# KiCad board ciaa_acc.kicad_pcb (continued)
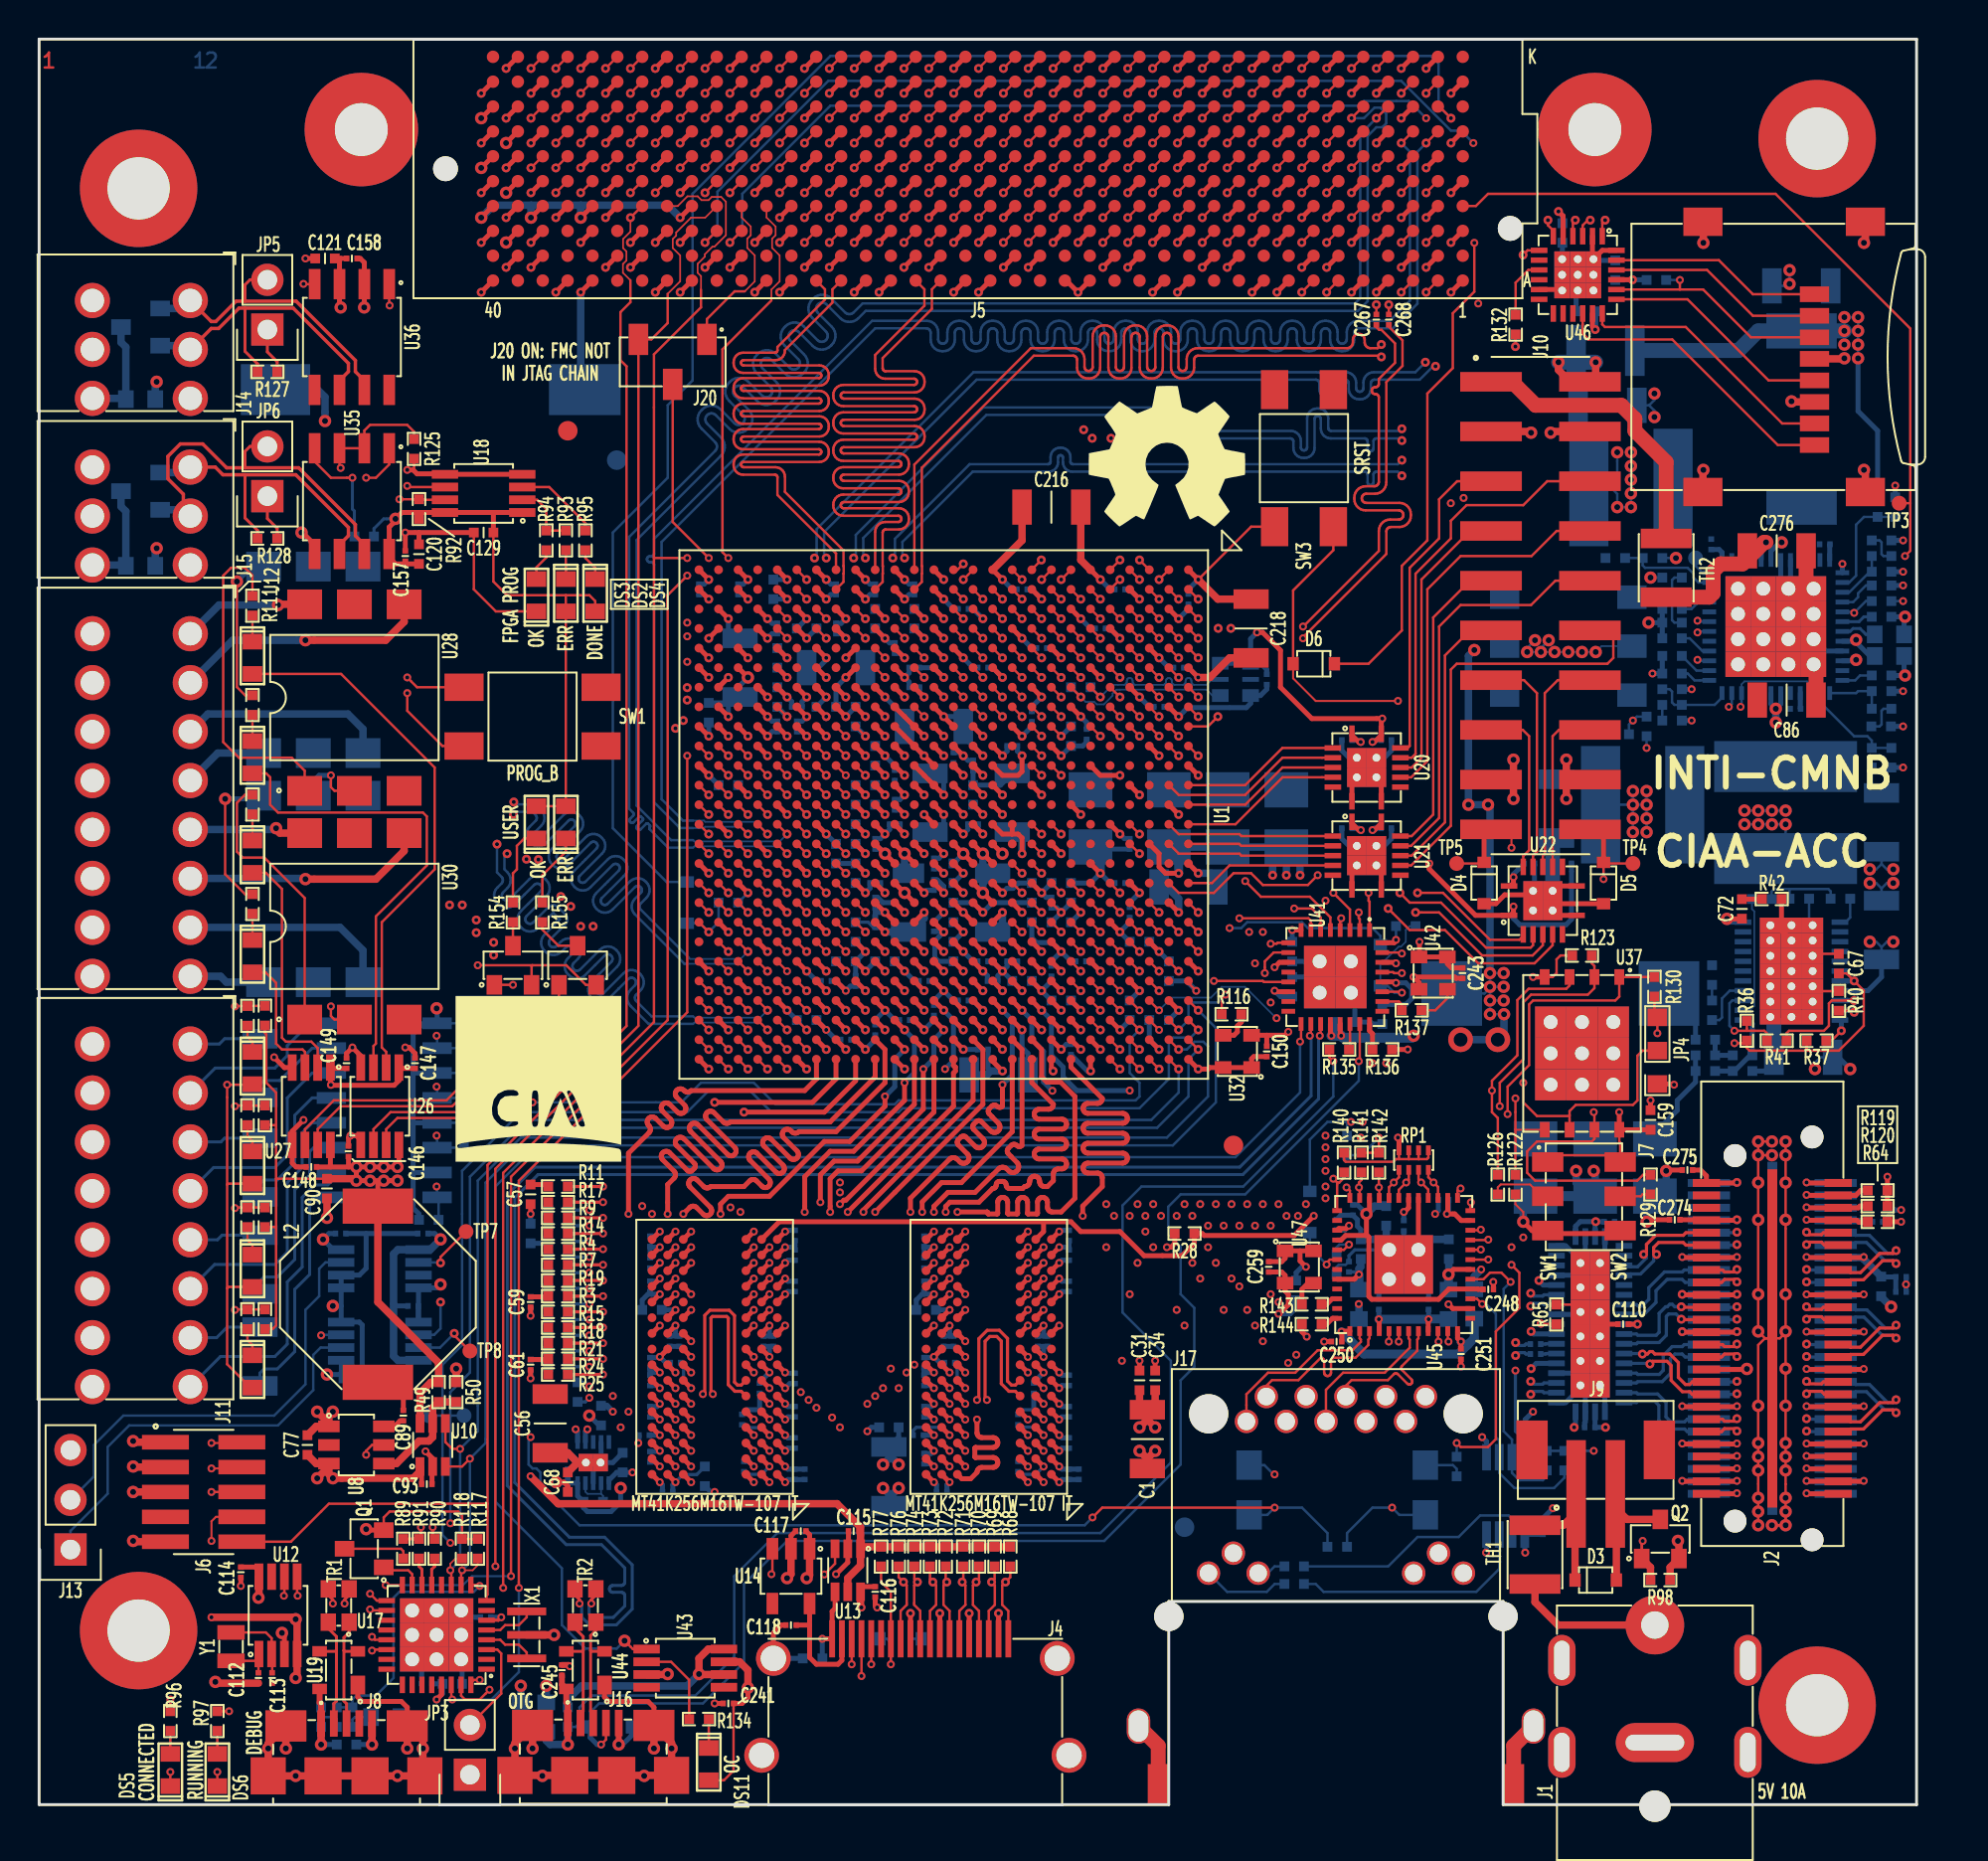
[diagram p0: board, top side]
## Routing (per net, layer and track width the routed paths; a pad name or vN(x,y) marks a point on that pad's centre or on a via; arc(x,y) is an arc through that point) (continued)
  L10.Sig w0.165: v1(58.5,30.67) v1(58.5,24.47)
  BOT_L12.Sig w0.165: R22.2 v1(28.1,23.17)
/Principal/BANK_502/DDR_CLK_N: length 75.8
  TOP_L1.Sig w0.254: U3.K7 v1(33.3,23.67) ; U1.P21 v2(46.2,42.57) ; U2.K7 v1(47.3,23.67)
  L3.Sig w0.147: v1(64.21,22.98) 64.02,22.98 63.87,23.13 61.77,23.13 61.27,23.63 48.53,23.63 48.33,23.43 47.54,23.43 v1(47.3,23.67) 47.06,23.43 46.83,23.43 46.63,23.63 34.53,23.63 34.33,23.43 33.54,23.43 v1(33.3,23.67) 33.06,23.43 32.52,23.43 32.32,23.63 31.03,23.63 28.63,21.23 28.23,21.23 v1(28.1,21.36)
  L5.Sig w0.147: 46.7,37.07 46.7,36.4 47.67,35.43 60.4,35.43 64.16,31.67 64.16,30.2 v1(64.29,30.07)
  L5.Sig w0.165: 46.7,37.07 46.7,42.07 v2(46.2,42.57)
  L10.Sig w0.147: v1(64.21,22.98) 64.11,22.88 64.03,22.97 64.03,24.36 64.04,24.39 64.04,24.41 64.06,24.43 64.07,24.45 64.09,24.46 64.12,24.47 64.16,24.47 64.19,24.48 64.21,24.49 64.22,24.51 64.24,24.53 64.24,24.55 64.25,24.58 64.25,24.66 64.24,24.68 64.24,24.7 64.22,24.72 64.21,24.74 64.19,24.75 64.16,24.76 64.12,24.77 64.09,24.77 64.07,24.79 64.06,24.8 64.04,24.82 64.04,24.85 64.03,24.87 64.03,29.81 v1(64.29,30.07)
  BOT_L12.Sig w0.165: R27.1 27.89,21.57 v1(28.1,21.36)
/Principal/BANK_502/DDR_CLK_P: length 75.8
  TOP_L1.Sig w0.254: U3.J7 v1(33.3,22.87) ; U2.J7 v1(47.3,22.87) ; U1.R21 v2(45.2,42.57)
  L3.Sig w0.147: v1(28.1,20.78) 28.23,20.91 28.77,20.91 31.17,23.31 32.18,23.31 32.38,23.11 33.06,23.11 v1(33.3,22.87) 33.54,23.11 34.47,23.11 34.67,23.31 46.49,23.31 46.69,23.11 47.06,23.11 v1(47.3,22.87) 47.54,23.11 48.47,23.11 48.67,23.31 61.13,23.31 61.63,22.81 63.73,22.81 63.79,22.75 v1(63.79,22.56)
  L5.Sig w0.147: 45.7,37.07 45.7,36.94 47.53,35.11 60.27,35.11 63.84,31.54 63.84,30.2 v1(63.71,30.07)
  L5.Sig w0.165: 45.7,37.07 45.7,42.07 v2(45.2,42.57)
  L10.Sig w0.147: v1(63.71,30.07) 63.71,22.83 63.89,22.66 v1(63.79,22.56)
  BOT_L12.Sig w0.165: v1(28.1,20.78) 27.89,20.57 R27.2
/Principal/BANK_502/DDR_CS: length 81.9
  TOP_L1.Sig w0.254: U3.L2 v1(37.3,25.27) ; U1.Y21 v2(40.2,42.57) ; U2.L2 v1(51.3,25.27)
  L8.Sig w0.165: v1(28.1,22.37) 29.1,22.37 29.5,22.77 29.5,24.07 30.3,24.87 37.3,24.87 ; 51.8,24.87 51.3,24.87 v1(51.3,25.27) ; 51.8,24.87 57.7,24.87 v1(58.1,25.27) ; 51.8,24.87 37.3,24.87 ; v1(37.3,25.27) 37.3,24.87 ; v1(58.1,30.07) 58.1,30.87 57.9,31.07 54.2,31.07 53.8,30.67 43.5,30.67 42.7,31.47 42.7,31.87 42.69,31.93 42.68,31.98 42.65,32.03 42.61,32.07 42.56,32.1 42.51,32.11 42.45,32.12 42.1,32.12 42.04,32.13 41.99,32.14 41.94,32.17 41.9,32.21 41.88,32.26 41.86,32.31 41.85,32.37 41.86,32.43 41.88,32.48 41.9,32.53 41.94,32.57 41.99,32.6 42.04,32.61 42.1,32.62 43.15,32.62 43.21,32.63 43.26,32.64 43.31,32.67 43.35,32.71 43.37,32.76 43.39,32.81 43.4,32.87 43.39,32.93 43.37,32.98 43.35,33.03 43.31,33.07 43.26,33.1 43.21,33.11 43.15,33.12 42.1,33.12 42.04,33.13 41.99,33.14 41.94,33.17 41.9,33.21 41.88,33.26 41.86,33.31 41.85,33.37 41.86,33.43 41.88,33.48 41.9,33.53 41.94,33.57 41.99,33.6 42.04,33.61 42.1,33.62 43.15,33.62 43.21,33.63 43.26,33.64 43.31,33.67 43.35,33.71 43.37,33.76 43.39,33.81 43.4,33.87 43.39,33.93 43.37,33.98 43.35,34.03 43.31,34.07 43.26,34.1 43.21,34.11 43.15,34.12 42.1,34.12 42.04,34.13 41.99,34.14 41.94,34.17 41.9,34.21 41.88,34.26 41.86,34.31 41.85,34.37 41.86,34.43 41.88,34.48 41.9,34.53 41.94,34.57 41.99,34.6 42.04,34.61 42.1,34.62 43.15,34.62 43.21,34.63 43.26,34.64 43.31,34.67 43.35,34.71 43.37,34.76 43.39,34.81 43.4,34.87 43.39,34.93 43.37,34.98 43.35,35.03 43.31,35.07 43.26,35.1 43.21,35.11 43.15,35.12 42.1,35.12 42.04,35.13 41.99,35.14 41.94,35.17 41.9,35.21 41.88,35.26 41.86,35.31 41.85,35.37 41.86,35.43 41.88,35.48 41.9,35.53 41.94,35.57 41.99,35.6 42.04,35.61 42.1,35.62 42.75,35.62 42.76,35.62 42.77,35.62 42.78,35.63 42.79,35.64 42.8,35.65 42.8,35.66 42.8,35.67 42.8,36.07 42.8,36.08 42.8,36.09 42.79,36.1 42.78,36.11 42.77,36.12 42.76,36.12 42.75,36.12 42.1,36.12 42.04,36.13 41.99,36.14 41.94,36.17 41.9,36.21 41.88,36.26 41.86,36.31 41.85,36.37 41.86,36.43 41.88,36.48 41.9,36.53 41.94,36.57 41.99,36.6 42.04,36.61 42.1,36.62 42.45,36.62 42.51,36.63 42.56,36.64 42.61,36.67 42.65,36.71 42.68,36.76 42.69,36.81 42.7,36.87 42.7,41.87 42.5,42.07 40.7,42.07 v2(40.2,42.57)
  L10.Sig w0.165: v1(58.1,30.07) v1(58.1,25.27)
  BOT_L12.Sig w0.165: R23.2 v1(28.1,22.37)
/Principal/BANK_502/DDR_DM0: length 34.9
  TOP_L1.Sig w0.254: U2.D3 v1(50.5,18.87) ; U1.G24 v2(53.2,39.57)
  L10.Sig w0.165: v2(53.2,39.57) 53.7,39.07 53.7,38.27 53.5,38.07 52.5,38.07 52.3,37.87 52.3,37.07 54,35.37 54,33.07 52.9,31.97 52.9,27.07 52.9,27.06 52.9,27.05 52.89,27.04 52.88,27.03 52.87,27.02 52.86,27.02 52.84,27.02 52.83,27.02 52.82,27.01 52.81,27 52.8,26.99 52.8,26.98 52.8,26.97 52.8,26.57 52.8,26.56 52.8,26.55 52.81,26.54 52.82,26.53 52.83,26.52 52.84,26.52 52.85,26.52 53.45,26.52 53.51,26.51 53.56,26.5 53.61,26.47 53.65,26.43 53.68,26.38 53.69,26.33 53.7,26.27 53.69,26.21 53.68,26.16 53.65,26.11 53.61,26.07 53.56,26.04 53.51,26.03 53.45,26.02 52.85,26.02 52.84,26.02 52.83,26.02 52.82,26.01 52.81,26 52.8,25.99 52.8,25.98 52.8,25.97 52.8,25.57 52.8,25.56 52.8,25.55 52.81,25.54 52.82,25.53 52.83,25.52 52.84,25.52 52.85,25.52 53.5,25.52 53.56,25.51 53.61,25.5 53.66,25.47 53.7,25.43 53.73,25.38 53.74,25.33 53.75,25.27 53.74,25.21 53.73,25.16 53.7,25.11 53.66,25.07 53.61,25.04 53.56,25.03 53.5,25.02 52.85,25.02 52.84,25.02 52.83,25.02 52.82,25.01 52.81,25 52.8,24.99 52.8,24.98 52.8,24.97 52.8,24.57 52.8,24.56 52.8,24.55 52.81,24.54 52.82,24.53 52.83,24.52 52.84,24.52 52.85,24.52 53.5,24.52 53.56,24.51 53.61,24.5 53.66,24.47 53.7,24.43 53.73,24.38 53.74,24.33 53.75,24.27 53.74,24.21 53.73,24.16 53.7,24.11 53.66,24.07 53.61,24.04 53.56,24.03 53.5,24.02 52.85,24.02 52.84,24.02 52.83,24.02 52.82,24.01 52.81,24 52.8,23.99 52.8,23.98 52.8,23.97 52.8,23.57 52.8,23.56 52.8,23.55 52.81,23.54 52.82,23.53 52.83,23.52 52.84,23.52 52.85,23.52 53.5,23.52 53.56,23.51 53.61,23.5 53.66,23.47 53.7,23.43 53.73,23.38 53.74,23.33 53.75,23.27 53.74,23.21 53.73,23.16 53.7,23.11 53.66,23.07 53.61,23.04 53.56,23.03 53.5,23.02 52.85,23.02 52.84,23.02 52.83,23.02 52.82,23.01 52.81,23 52.8,22.99 52.8,22.98 52.8,22.97 52.8,22.57 52.8,22.56 52.8,22.55 52.81,22.54 52.82,22.53 52.83,22.52 52.84,22.52 52.85,22.52 53.35,22.52 53.41,22.51 53.46,22.5 53.51,22.47 53.55,22.43 53.58,22.38 53.59,22.33 53.6,22.27 53.59,22.21 53.58,22.16 53.55,22.11 53.51,22.07 53.46,22.04 53.41,22.03 53.35,22.02 53.15,22.02 53.09,22.01 53.04,22 52.99,21.97 52.95,21.93 52.92,21.88 52.91,21.83 52.9,21.77 52.9,18.87 52.5,18.47 50.9,18.47 v1(50.5,18.87)
/Principal/BANK_502/DDR_DM1: length 32
  TOP_L1.Sig w0.254: v1(45.7,30.27) 45.7,30.56 46.41,31.27 47.8,31.27 49,32.47 49.05,32.51 49.11,32.54 49.18,32.55 49.24,32.55 49.31,32.54 49.37,32.51 49.42,32.47 49.52,32.37 49.57,32.33 49.63,32.3 49.7,32.29 49.76,32.29 49.83,32.3 49.89,32.33 49.94,32.37 49.99,32.42 50.01,32.48 50.03,32.55 50.03,32.62 50.01,32.68 49.99,32.74 49.94,32.8 49.63,33.1 49.64,33.11 49.5,33.25 49.48,33.28 49.46,33.32 49.45,33.36 49.45,33.4 49.46,33.45 49.48,33.49 49.5,33.52 49.65,33.67 49.69,33.7 49.73,33.72 49.77,33.73 49.81,33.73 49.85,33.72 49.89,33.7 49.96,33.64 50,33.62 50.04,33.61 50.08,33.61 50.13,33.62 50.17,33.64 50.2,33.67 50.2,38.57 U1.K25 ; U2.E7 v1(47.3,19.67)
  L10.Sig w0.165: v1(45.7,30.27) 45.7,29.97 45.31,29.58 45.31,20.47 45.31,20.4 45.28,20.34 45.25,20.28 45.2,20.24 45.14,20.2 45.08,20.18 45.01,20.17 44.9,20.17 44.83,20.16 44.77,20.14 44.71,20.1 44.66,20.06 44.63,20 44.6,19.94 44.6,19.87 44.6,19.8 44.63,19.74 44.66,19.68 44.71,19.64 44.77,19.6 44.83,19.58 44.9,19.57 45.01,19.57 45.08,19.56 45.14,19.54 45.2,19.5 45.25,19.46 45.28,19.4 45.31,19.34 45.31,19.27 45.31,19.2 45.28,19.14 45.25,19.08 45.2,19.04 45.14,19 45.08,18.98 45.01,18.97 44.9,18.97 44.83,18.96 44.77,18.94 44.71,18.9 44.66,18.86 44.63,18.8 44.6,18.74 44.6,18.67 44.6,18.6 44.63,18.54 44.66,18.48 44.71,18.44 44.77,18.4 44.83,18.38 44.9,18.37 45.01,18.37 45.08,18.36 45.14,18.34 45.2,18.3 45.25,18.26 45.28,18.2 45.31,18.14 45.31,18.07 45.31,17.86 45.49,17.68 46.71,17.68 46.9,17.87 46.9,19.27 v1(47.3,19.67)
/Principal/BANK_502/DDR_DM2: length 34.3
  TOP_L1.Sig w0.254: U3.D3 v1(36.5,18.87) ; v1(40.9,30.67) 41.1,30.87 41.2,30.87 45.7,35.37 U1.P26
  L8.Sig w0.165: v1(36.5,18.87) 36.9,18.47 36.9,17.77 37,17.67 38.4,17.67 38.45,17.66 38.5,17.65 38.54,17.62 38.58,17.59 38.6,17.54 38.62,17.5 38.62,17.45 38.62,16.73 38.63,16.68 38.65,16.63 38.67,16.59 38.71,16.56 38.75,16.53 38.8,16.51 38.85,16.51 38.9,16.51 38.95,16.53 38.99,16.56 39.03,16.59 39.05,16.63 39.07,16.68 39.08,16.73 39.08,18.61 39.08,18.66 39.1,18.71 39.12,18.75 39.16,18.78 39.2,18.81 39.25,18.83 39.3,18.83 39.35,18.83 39.4,18.81 39.44,18.78 39.48,18.75 39.5,18.71 39.52,18.66 39.53,18.61 39.53,16.73 39.53,16.68 39.55,16.63 39.57,16.59 39.61,16.56 39.65,16.53 39.7,16.51 39.75,16.51 39.8,16.51 39.85,16.53 39.89,16.56 39.93,16.59 39.95,16.63 39.97,16.68 39.97,16.73 39.97,17.45 39.98,17.5 40,17.54 40.02,17.59 40.06,17.62 40.1,17.65 40.15,17.66 40.2,17.67 40.5,17.67 40.9,18.07 v1(40.9,19.27)
  L10.Sig w0.165: v1(40.9,30.67) v1(40.9,19.27)
/Principal/BANK_502/DDR_DM3: length 35.6
  TOP_L1.Sig w0.254: U3.E7 v1(33.3,19.67) ; v2(36,35.37) 40.1,35.37 41.7,36.97 U1.V26
  L5.Sig w0.165: v2(36,35.37) 36,34.87 35.8,34.67 35.75,34.63 35.7,34.6 35.64,34.59 35.57,34.59 35.51,34.6 35.46,34.63 35.41,34.67 35.21,34.87 35.17,34.91 35.11,34.93 35.05,34.95 34.99,34.95 34.93,34.93 34.87,34.91 34.83,34.87 34.79,34.82 34.76,34.76 34.75,34.7 34.75,34.64 34.76,34.58 34.79,34.53 34.83,34.48 35.61,33.7 35.65,33.65 35.67,33.59 35.69,33.53 35.69,33.47 35.67,33.41 35.65,33.35 35.61,33.31 35.56,33.27 35.5,33.24 35.44,33.23 35.38,33.23 35.32,33.24 35.27,33.27 35.22,33.31 34.44,34.09 34.39,34.13 34.33,34.15 34.27,34.17 34.21,34.17 34.15,34.15 34.1,34.13 34.05,34.09 34.01,34.04 33.98,33.99 33.97,33.93 33.97,33.86 33.98,33.8 34.01,33.75 34.05,33.7 34.83,32.92 34.87,32.87 34.9,32.81 34.91,32.75 34.91,32.69 34.9,32.63 34.87,32.58 34.83,32.53 34.78,32.49 34.73,32.46 34.67,32.45 34.61,32.45 34.55,32.46 34.49,32.49 34.44,32.53 33.66,33.31 33.61,33.35 33.55,33.38 33.49,33.39 33.43,33.39 33.37,33.38 33.32,33.35 33.27,33.31 33.23,33.26 33.2,33.21 33.19,33.15 33.19,33.09 33.2,33.03 33.23,32.97 33.27,32.92 34.05,32.14 34.09,32.09 34.12,32.04 34.13,31.98 34.13,31.91 34.12,31.85 34.09,31.8 34.05,31.75 34,31.71 33.95,31.69 33.89,31.67 33.83,31.67 33.77,31.69 33.71,31.71 33.66,31.75 33.47,31.95 33.42,31.99 33.36,32.01 33.3,32.03 33.24,32.03 33.18,32.01 33.13,31.99 33.08,31.95 v1(31.3,30.17)
  L10.Sig w0.165: v1(31.3,30.17) 31.3,20.97 31.4,20.87 32.8,20.87 32.89,20.78 32.89,20.08 v1(33.3,19.67)
/Principal/BANK_502/DDR_DQ0: length 38.2
  TOP_L1.Sig w0.254: U2.C8 v1(46.5,18.07) ; v1(46.3,30.27) 46.3,30.56 46.51,30.77 48,30.77 48.7,31.47 48.74,31.47 48.78,31.49 48.81,31.51 48.84,31.54 48.86,31.57 48.88,31.61 48.89,31.69 48.9,31.73 48.92,31.76 48.95,31.79 48.98,31.81 49.02,31.83 49.06,31.83 49.21,31.83 49.25,31.83 49.29,31.81 49.32,31.79 49.35,31.76 49.37,31.73 49.38,31.69 49.39,31.61 49.41,31.57 49.43,31.54 49.46,31.51 49.49,31.49 49.53,31.47 49.57,31.47 50.23,31.47 50.33,31.57 50.39,31.58 50.44,31.6 50.49,31.63 50.53,31.67 50.56,31.71 50.58,31.77 50.59,31.82 50.59,31.84 50.59,31.9 50.61,31.95 50.64,32 50.68,32.04 50.73,32.07 50.79,32.09 50.84,32.1 50.9,32.09 50.95,32.07 51,32.04 51.04,32 51.07,31.95 51.09,31.9 51.1,31.84 51.1,31.82 51.1,31.77 51.12,31.71 51.15,31.67 51.19,31.63 51.24,31.6 51.29,31.58 51.35,31.57 51.5,31.57 51.8,31.87 51.8,32.22 51.81,32.27 51.83,32.33 51.86,32.37 51.9,32.41 51.94,32.44 52,32.46 52.05,32.47 52.22,32.47 52.28,32.48 52.33,32.5 52.38,32.53 52.42,32.57 52.45,32.61 52.47,32.67 52.48,32.72 52.47,32.78 52.45,32.83 52.42,32.88 52.38,32.92 52.33,32.95 52.28,32.97 52.22,32.98 51.08,32.98 51.02,32.98 50.97,33 50.92,33.03 50.88,33.07 50.85,33.12 50.83,33.18 50.82,33.23 50.83,33.29 50.85,33.34 50.88,33.39 50.92,33.43 50.97,33.46 51.02,33.48 51.08,33.49 52.22,33.49 52.28,33.49 52.33,33.51 52.38,33.54 52.42,33.58 52.45,33.63 52.47,33.68 52.48,33.74 52.47,33.8 52.45,33.85 52.42,33.9 52.38,33.94 52.33,33.97 52.28,33.99 52.22,33.99 51.08,33.99 51.02,34 50.97,34.02 50.92,34.05 50.88,34.09 50.85,34.14 50.83,34.19 50.82,34.25 50.83,34.3 50.85,34.36 50.88,34.41 50.92,34.45 50.97,34.48 51.02,34.5 51.08,34.5 52.22,34.5 52.28,34.51 52.33,34.53 52.38,34.56 52.42,34.6 52.45,34.65 52.47,34.7 52.48,34.76 52.47,34.81 52.45,34.87 52.42,34.91 52.38,34.95 52.33,34.98 52.28,35 52.22,35.01 51.08,35.01 51.02,35.02 50.97,35.04 50.92,35.07 50.88,35.11 50.85,35.15 50.83,35.21 50.82,35.26 50.83,35.32 50.85,35.37 50.88,35.42 50.92,35.46 50.97,35.49 51.02,35.51 51.08,35.52 51.55,35.52 51.6,35.52 51.66,35.54 51.7,35.57 51.74,35.61 51.77,35.66 51.79,35.72 51.8,35.77 50.7,36.87 U1.J26
  L10.Sig w0.165: v1(46.5,18.07) 46.1,18.47 46.1,22.72 46.1,22.76 46.12,22.81 46.14,22.84 46.17,22.88 46.21,22.9 46.25,22.91 46.3,22.92 46.4,22.92 46.44,22.93 46.48,22.94 46.52,22.96 46.55,23 46.58,23.03 46.59,23.08 46.6,23.12 46.59,23.16 46.58,23.21 46.55,23.24 46.52,23.28 46.48,23.3 46.44,23.31 46.4,23.32 45.8,23.32 45.75,23.33 45.71,23.34 45.67,23.36 45.64,23.4 45.62,23.43 45.6,23.48 45.6,23.52 45.6,23.56 45.62,23.61 45.64,23.64 45.67,23.68 45.71,23.7 45.75,23.71 45.8,23.72 46.3,23.72 46.34,23.73 46.38,23.74 46.42,23.76 46.45,23.8 46.48,23.83 46.49,23.88 46.5,23.92 46.49,23.96 46.48,24.01 46.45,24.04 46.42,24.08 46.38,24.1 46.34,24.11 46.25,24.13 46.21,24.14 46.17,24.16 46.14,24.2 46.12,24.23 46.1,24.28 46.1,24.32 46.1,24.87 46.09,24.91 46.08,24.96 46.05,24.99 46.02,25.03 45.98,25.05 45.94,25.06 45.9,25.07 45.8,25.07 45.75,25.08 45.71,25.09 45.67,25.11 45.64,25.15 45.62,25.18 45.6,25.23 45.6,25.27 45.6,25.31 45.62,25.36 45.64,25.39 45.67,25.43 45.71,25.45 45.75,25.46 45.8,25.47 45.9,25.47 45.94,25.48 45.98,25.49 46.02,25.51 46.05,25.55 46.08,25.58 46.09,25.63 46.1,25.67 46.1,29.57 46.3,29.77 v1(46.3,30.27)
/Principal/BANK_502/DDR_DQ1: length 35
  TOP_L1.Sig w0.254: U2.A3 v1(50.5,16.47) ; U1.F25 v2(54.2,38.57)
  L10.Sig w0.165: v2(54.2,38.57) 54.2,36.97 54.9,36.27 54.9,32.57 53.7,31.37 53.7,27.47 54.5,26.67 54.5,21.42 54.49,21.38 54.48,21.33 54.46,21.3 54.42,21.26 54.39,21.24 54.34,21.23 54.3,21.22 53.8,21.22 53.76,21.21 53.71,21.2 53.68,21.18 53.64,21.14 53.62,21.11 53.61,21.06 53.6,21.02 53.61,20.98 53.62,20.93 53.64,20.9 53.68,20.86 53.71,20.84 53.76,20.83 53.8,20.82 54.55,20.82 54.56,20.82 54.57,20.82 54.58,20.81 54.59,20.8 54.6,20.79 54.6,20.78 54.6,20.77 54.6,20.47 54.6,20.46 54.6,20.45 54.59,20.44 54.58,20.43 54.57,20.42 54.56,20.42 54.55,20.42 53.8,20.42 53.76,20.41 53.71,20.4 53.68,20.38 53.64,20.34 53.62,20.31 53.61,20.26 53.6,20.22 53.61,20.18 53.62,20.13 53.64,20.1 53.68,20.06 53.71,20.04 53.76,20.03 53.8,20.02 54.55,20.02 54.56,20.02 54.57,20.02 54.58,20.01 54.59,20 54.6,19.99 54.6,19.98 54.6,19.97 54.6,19.67 54.6,19.66 54.6,19.65 54.59,19.64 54.58,19.63 54.57,19.62 54.56,19.62 54.55,19.62 53.8,19.62 53.76,19.61 53.71,19.6 53.68,19.58 53.64,19.54 53.62,19.51 53.61,19.46 53.6,19.42 53.61,19.38 53.62,19.33 53.64,19.3 53.68,19.26 53.71,19.24 53.76,19.23 53.8,19.22 54.55,19.22 54.56,19.22 54.57,19.22 54.58,19.21 54.59,19.2 54.6,19.19 54.6,19.18 54.6,19.17 54.6,18.87 54.6,18.86 54.6,18.85 54.59,18.84 54.58,18.83 54.57,18.82 54.56,18.82 54.54,18.82 54.53,18.82 54.52,18.81 54.51,18.8 54.5,18.79 54.5,18.78 54.5,18.77 54.5,18.47 54.26,18.23 54.23,18.2 54.19,18.18 54.14,18.17 54.1,18.17 54.05,18.18 54.01,18.2 53.98,18.23 53.87,18.34 53.84,18.37 53.8,18.38 53.75,18.39 53.71,18.39 53.66,18.38 53.62,18.37 53.59,18.34 53.56,18.3 53.54,18.26 53.53,18.22 53.53,18.17 53.54,18.13 53.56,18.09 53.59,18.05 53.91,17.74 53.92,17.72 53.93,17.7 53.94,17.68 53.94,17.65 53.93,17.63 53.92,17.61 53.91,17.59 53.77,17.45 53.75,17.44 53.73,17.43 53.71,17.42 53.68,17.42 53.66,17.43 53.64,17.44 53.62,17.45 53.31,17.77 53.27,17.8 53.23,17.82 53.19,17.83 53.14,17.83 53.1,17.82 53.06,17.8 53.02,17.77 53,17.74 52.98,17.7 52.97,17.65 52.97,17.61 52.98,17.56 53,17.52 53.02,17.49 53.36,17.15 53.38,17.13 53.39,17.11 53.4,17.08 53.4,17.05 53.39,17.02 53.38,17 53.36,16.98 53.25,16.87 53.23,16.85 53.21,16.84 53.18,16.83 53.15,16.83 53.12,16.84 53.1,16.85 53.05,16.89 53.03,16.9 53,16.91 52.97,16.91 52.95,16.9 52.92,16.89 52.9,16.87 50.9,16.87 v1(50.5,16.47)
/Principal/BANK_502/DDR_DQ2: length 38.8
  TOP_L1.Sig w0.254: U2.A7 47.12,16.65 47.58,16.65 47.9,16.97 47.91,17.03 47.93,17.08 47.96,17.13 48,17.17 48.04,17.2 48.1,17.22 48.15,17.22 48.71,17.22 48.76,17.23 48.82,17.25 48.87,17.28 48.91,17.32 48.94,17.37 48.96,17.42 48.96,17.48 48.96,17.53 48.94,17.59 48.91,17.64 48.87,17.68 48.82,17.71 48.76,17.73 48.71,17.73 47.84,17.73 47.83,17.73 47.82,17.74 47.81,17.74 47.8,17.75 47.79,17.76 47.79,17.78 47.79,17.79 47.79,18.18 47.79,18.2 47.79,18.21 47.8,18.22 47.81,18.23 47.82,18.23 47.83,18.24 47.84,18.24 48.71,18.24 48.76,18.25 48.82,18.27 48.87,18.3 48.91,18.34 48.94,18.38 48.96,18.44 48.96,18.49 48.96,18.55 48.94,18.6 48.91,18.65 48.87,18.69 48.82,18.72 48.76,18.74 48.71,18.75 48.15,18.75 48.1,18.75 48.04,18.77 48,18.8 47.96,18.84 47.93,18.89 47.91,18.95 47.9,19 v1(47.9,19.67) ; U1.J25 51.2,38.57 51.2,37.17 51.47,36.9 52.17,36.9 52.9,36.17 52.9,30.97 52.2,30.27 51.75,30.27 51.7,30.28 51.64,30.3 51.59,30.33 51.55,30.37 51.52,30.41 51.5,30.47 51.5,30.52 51.5,30.76 51.49,30.82 51.47,30.87 51.44,30.92 51.4,30.96 51.35,30.99 51.3,31.01 51.24,31.02 51.19,31.01 51.13,30.99 51.09,30.96 51.05,30.92 51.02,30.87 51,30.82 50.99,30.76 50.99,30.22 50.99,30.21 50.99,30.2 50.98,30.19 50.97,30.18 50.96,30.17 50.95,30.17 50.94,30.17 50.53,30.17 50.52,30.17 50.51,30.17 50.5,30.18 50.49,30.19 50.49,30.2 50.48,30.21 50.48,30.22 50.48,30.76 50.48,30.82 50.46,30.87 50.43,30.92 50.39,30.96 50.34,30.99 50.28,31.01 50.23,31.02 50.17,31.01 50.12,30.99 50.07,30.96 50.03,30.92 50,30.87 49.98,30.82 49.97,30.76 49.97,30.22 49.97,30.21 49.97,30.2 49.96,30.19 49.96,30.18 49.95,30.17 49.94,30.17 49.92,30.17 49.52,30.17 49.5,30.17 49.49,30.17 49.48,30.18 49.48,30.19 49.47,30.2 49.47,30.21 49.47,30.22 49.47,30.76 49.46,30.82 49.44,30.87 49.41,30.92 49.37,30.96 49.32,30.99 49.27,31.01 49.21,31.02 49.16,31.01 49.1,30.99 49.05,30.96 49.01,30.92 48.98,30.87 48.96,30.82 48.96,30.76 48.96,30.22 48.96,30.21 48.95,30.2 48.95,30.19 48.94,30.18 48.93,30.17 48.92,30.17 48.91,30.17 48.5,30.17 48.49,30.17 48.48,30.17 48.47,30.18 48.46,30.19 48.45,30.2 48.45,30.21 48.45,30.23 48.45,30.24 48.44,30.25 48.43,30.26 48.42,30.27 48.41,30.27 48.4,30.27 v1(46.9,30.27)
  L10.Sig w0.165: v1(46.9,30.27) 46.9,20.3 47.11,20.08 47.49,20.08 v1(47.9,19.67)
/Principal/BANK_502/DDR_DQ3: length 38.2
  TOP_L1.Sig w0.254: U1.G26 52.7,37.67 54.3,36.07 54.29,36.01 54.27,35.96 54.24,35.91 54.2,35.87 54.16,35.84 54.1,35.82 54.05,35.82 53.57,35.82 53.52,35.81 53.46,35.79 53.41,35.76 53.37,35.72 53.34,35.67 53.33,35.62 53.32,35.56 53.33,35.51 53.34,35.45 53.37,35.4 53.41,35.36 53.46,35.33 53.52,35.31 53.57,35.31 55.33,35.31 55.38,35.3 55.44,35.28 55.49,35.25 55.53,35.21 55.56,35.16 55.57,35.11 55.58,35.05 55.57,35 55.56,34.94 55.53,34.9 55.49,34.86 55.44,34.83 55.38,34.81 55.33,34.8 53.57,34.8 53.52,34.79 53.46,34.77 53.41,34.74 53.37,34.7 53.34,34.66 53.33,34.6 53.32,34.55 53.33,34.49 53.34,34.44 53.37,34.39 53.41,34.35 53.46,34.32 53.52,34.3 53.57,34.29 55.33,34.29 55.38,34.29 55.44,34.27 55.49,34.24 55.53,34.2 55.56,34.15 55.57,34.09 55.58,34.04 55.57,33.98 55.56,33.93 55.53,33.88 55.49,33.84 55.44,33.81 55.38,33.79 55.33,33.78 53.57,33.78 53.52,33.78 53.46,33.76 53.41,33.73 53.37,33.69 53.34,33.64 53.33,33.59 53.32,33.53 53.33,33.47 53.34,33.42 53.37,33.37 53.41,33.33 53.46,33.3 53.52,33.28 53.57,33.28 55.33,33.28 55.38,33.27 55.44,33.25 55.49,33.22 55.53,33.18 55.56,33.13 55.57,33.08 55.58,33.02 55.57,32.97 55.56,32.91 55.53,32.86 55.49,32.82 55.44,32.79 55.38,32.77 55.33,32.77 53.57,32.77 53.52,32.76 53.46,32.74 53.41,32.71 53.37,32.67 53.34,32.62 53.33,32.57 53.32,32.51 53.33,32.46 53.34,32.4 53.37,32.36 53.41,32.32 53.46,32.29 53.52,32.27 53.57,32.26 54.05,32.26 54.1,32.25 54.16,32.23 54.2,32.2 54.24,32.16 54.27,32.12 54.29,32.06 54.3,32.01 54.3,31.57 53.3,30.57 v1(53.3,30.07) ; U2.C2 v1(51.3,18.07)
  L10.Sig w0.165: v1(53.3,30.07) 53.3,27.27 54.1,26.47 54.1,22.17 53.3,21.37 53.3,18.47 52.5,17.67 51.7,17.67 v1(51.3,18.07)
/Principal/BANK_502/DDR_DQ4: length 35
  TOP_L1.Sig w0.254: v1(50.5,18.07) U2.C3 ; U1.H26 51.7,37.56 v2(51.79,37.47)
  L10.Sig w0.165: v2(51.79,37.47) 51.79,36.98 52.5,36.27 52.5,36.24 52.49,36.2 52.47,36.18 52.44,36.15 52.42,36.13 52.38,36.12 52.32,36.12 52.28,36.11 52.26,36.09 52.23,36.06 52.21,36.04 52.2,36 52.2,35.97 52.2,35.87 52.2,35.84 52.21,35.8 52.23,35.78 52.26,35.75 52.28,35.73 52.32,35.72 52.35,35.72 53.15,35.72 53.19,35.71 53.24,35.7 53.27,35.68 53.31,35.64 53.33,35.61 53.34,35.56 53.35,35.52 53.34,35.48 53.33,35.43 53.31,35.4 53.27,35.36 53.24,35.34 53.19,35.33 53.15,35.32 52.35,35.32 52.32,35.32 52.28,35.31 52.26,35.29 52.23,35.26 52.21,35.24 52.2,35.2 52.2,35.17 52.2,35.07 52.2,35.04 52.21,35 52.23,34.98 52.26,34.95 52.28,34.93 52.32,34.92 52.35,34.92 53.3,34.92 53.34,34.91 53.39,34.9 53.42,34.88 53.46,34.84 53.48,34.81 53.49,34.76 53.5,34.72 53.49,34.68 53.48,34.63 53.46,34.6 53.42,34.56 53.39,34.54 53.34,34.53 53.3,34.52 52.35,34.52 52.32,34.52 52.28,34.51 52.26,34.49 52.23,34.46 52.21,34.44 52.2,34.4 52.2,34.37 52.2,34.27 52.2,34.24 52.21,34.2 52.23,34.18 52.26,34.15 52.28,34.13 52.32,34.12 52.35,34.12 53.3,34.12 53.34,34.11 53.39,34.1 53.42,34.08 53.46,34.04 53.48,34.01 53.49,33.96 53.5,33.92 53.49,33.88 53.48,33.83 53.46,33.8 53.42,33.76 53.39,33.74 53.34,33.73 53.3,33.72 52.35,33.72 52.32,33.72 52.28,33.71 52.26,33.69 52.23,33.66 52.21,33.64 52.2,33.6 52.2,33.57 52.2,33.47 52.2,33.44 52.21,33.4 52.23,33.38 52.26,33.35 52.28,33.33 52.32,33.32 52.35,33.32 53.3,33.32 53.34,33.31 53.39,33.3 53.42,33.28 53.46,33.24 53.48,33.21 53.49,33.16 53.5,33.12 53.49,33.08 53.48,33.03 53.46,33 53.42,32.96 53.39,32.94 53.34,32.93 53.3,32.92 52.35,32.92 52.32,32.92 52.28,32.91 52.26,32.89 52.23,32.86 52.21,32.84 52.2,32.8 52.2,32.77 52.2,32.67 52.2,32.64 52.21,32.6 52.23,32.58 52.26,32.55 52.28,32.53 52.32,32.52 52.35,32.52 52.6,32.52 52.62,32.52 52.64,32.51 52.66,32.5 52.68,32.48 52.69,32.46 52.7,32.44 52.7,32.42 52.7,32.22 52.7,32.2 52.69,32.18 52.68,32.16 52.66,32.14 52.64,32.13 52.62,32.12 52.6,32.12 52.35,32.12 52.32,32.12 52.28,32.11 52.26,32.09 52.23,32.06 52.21,32.04 52.2,32 52.2,31.97 52.2,31.87 52.2,31.84 52.21,31.8 52.23,31.78 52.26,31.75 52.28,31.73 52.32,31.72 52.38,31.72 52.42,31.71 52.44,31.69 52.47,31.66 52.49,31.64 52.5,31.6 52.5,31.57 52.5,30.47 52.49,30.43 52.48,30.38 52.46,30.35 52.42,30.31 52.39,30.29 52.34,30.28 52.3,30.27 52,30.27 51.96,30.26 51.91,30.25 51.88,30.23 51.84,30.19 51.82,30.16 51.81,30.11 51.8,30.07 51.81,30.03 51.82,29.98 51.84,29.95 51.88,29.91 51.91,29.89 51.96,29.88 52,29.87 52.55,29.87 52.56,29.87 52.57,29.87 52.58,29.86 52.59,29.85 52.6,29.84 52.6,29.83 52.6,29.82 52.6,29.52 52.6,29.51 52.6,29.5 52.59,29.49 52.58,29.48 52.57,29.47 52.56,29.47 52.54,29.47 52.53,29.47 52.52,29.46 52.51,29.45 52.5,29.44 52.5,29.43 52.5,29.42 52.5,25.57 52.49,25.53 52.48,25.48 52.46,25.45 52.42,25.41 52.39,25.39 52.34,25.38 52.3,25.37 52.28,25.37 52.24,25.36 52.19,25.35 52.16,25.33 52.13,25.29 52.1,25.26 52.09,25.21 52.08,25.17 52.09,25.13 52.1,25.08 52.13,25.05 52.16,25.01 52.19,24.99 52.24,24.98 52.28,24.97 52.3,24.97 52.34,24.96 52.39,24.95 52.42,24.93 52.46,24.89 52.48,24.86 52.49,24.81 52.5,24.77 52.5,19.47 52.3,19.27 50.33,19.27 50.1,19.04 U2.C3 v1(50.5,18.07)
/Principal/BANK_502/DDR_DQ5: length 35
  TOP_L1.Sig w0.254: U2.A2 v1(51.3,16.47) ; U1.H23 v2(52.2,40.57)
  L10.Sig w0.165: v1(51.3,16.47) 51.7,16.07 53.4,16.07 53.56,16.23 53.59,16.26 53.63,16.27 53.67,16.28 53.71,16.28 53.74,16.27 53.78,16.26 53.81,16.23 53.9,16.14 53.93,16.12 53.97,16.1 54.01,16.09 54.05,16.09 54.08,16.1 54.12,16.12 54.15,16.14 54.18,16.17 54.19,16.21 54.2,16.24 54.2,16.28 54.19,16.32 54.18,16.36 54.15,16.39 53.72,16.82 53.69,16.85 53.68,16.89 53.67,16.92 53.67,16.96 53.68,17 53.69,17.04 53.72,17.07 53.75,17.09 53.78,17.11 53.82,17.12 53.86,17.12 53.9,17.11 53.93,17.09 53.96,17.07 54.4,16.63 54.43,16.61 54.46,16.59 54.5,16.58 54.54,16.58 54.58,16.59 54.61,16.61 54.65,16.63 54.67,16.67 54.69,16.7 54.7,16.74 54.7,16.78 54.69,16.82 54.67,16.85 54.65,16.88 54.21,17.32 54.19,17.35 54.17,17.38 54.16,17.42 54.16,17.46 54.17,17.5 54.19,17.53 54.21,17.56 54.24,17.59 54.28,17.6 54.32,17.61 54.36,17.61 54.39,17.6 54.43,17.59 54.46,17.56 54.55,17.47 54.58,17.45 54.62,17.43 54.66,17.42 54.7,17.42 54.73,17.43 54.77,17.45 54.8,17.47 54.91,17.58 54.91,26.96 54.1,27.77 54.1,31.07 55.3,32.27 55.3,36.67 54.7,37.27 54.7,39.97 54.6,40.07 52.7,40.07 v2(52.2,40.57)
